# Altium PCB PCB1.PcbDoc (part 4 of 4)
Units mm, origin at the board's own origin, x right, y up, seen from the top; angles counter-clockwise.
Board outline 170.5 x 170.3 mm, 2 copper layers (Top Layer, Bottom Layer); 947 components, 657 nets, 3453 pads, 181 vias.
Unrouted connection lines stored in the file: 2490.
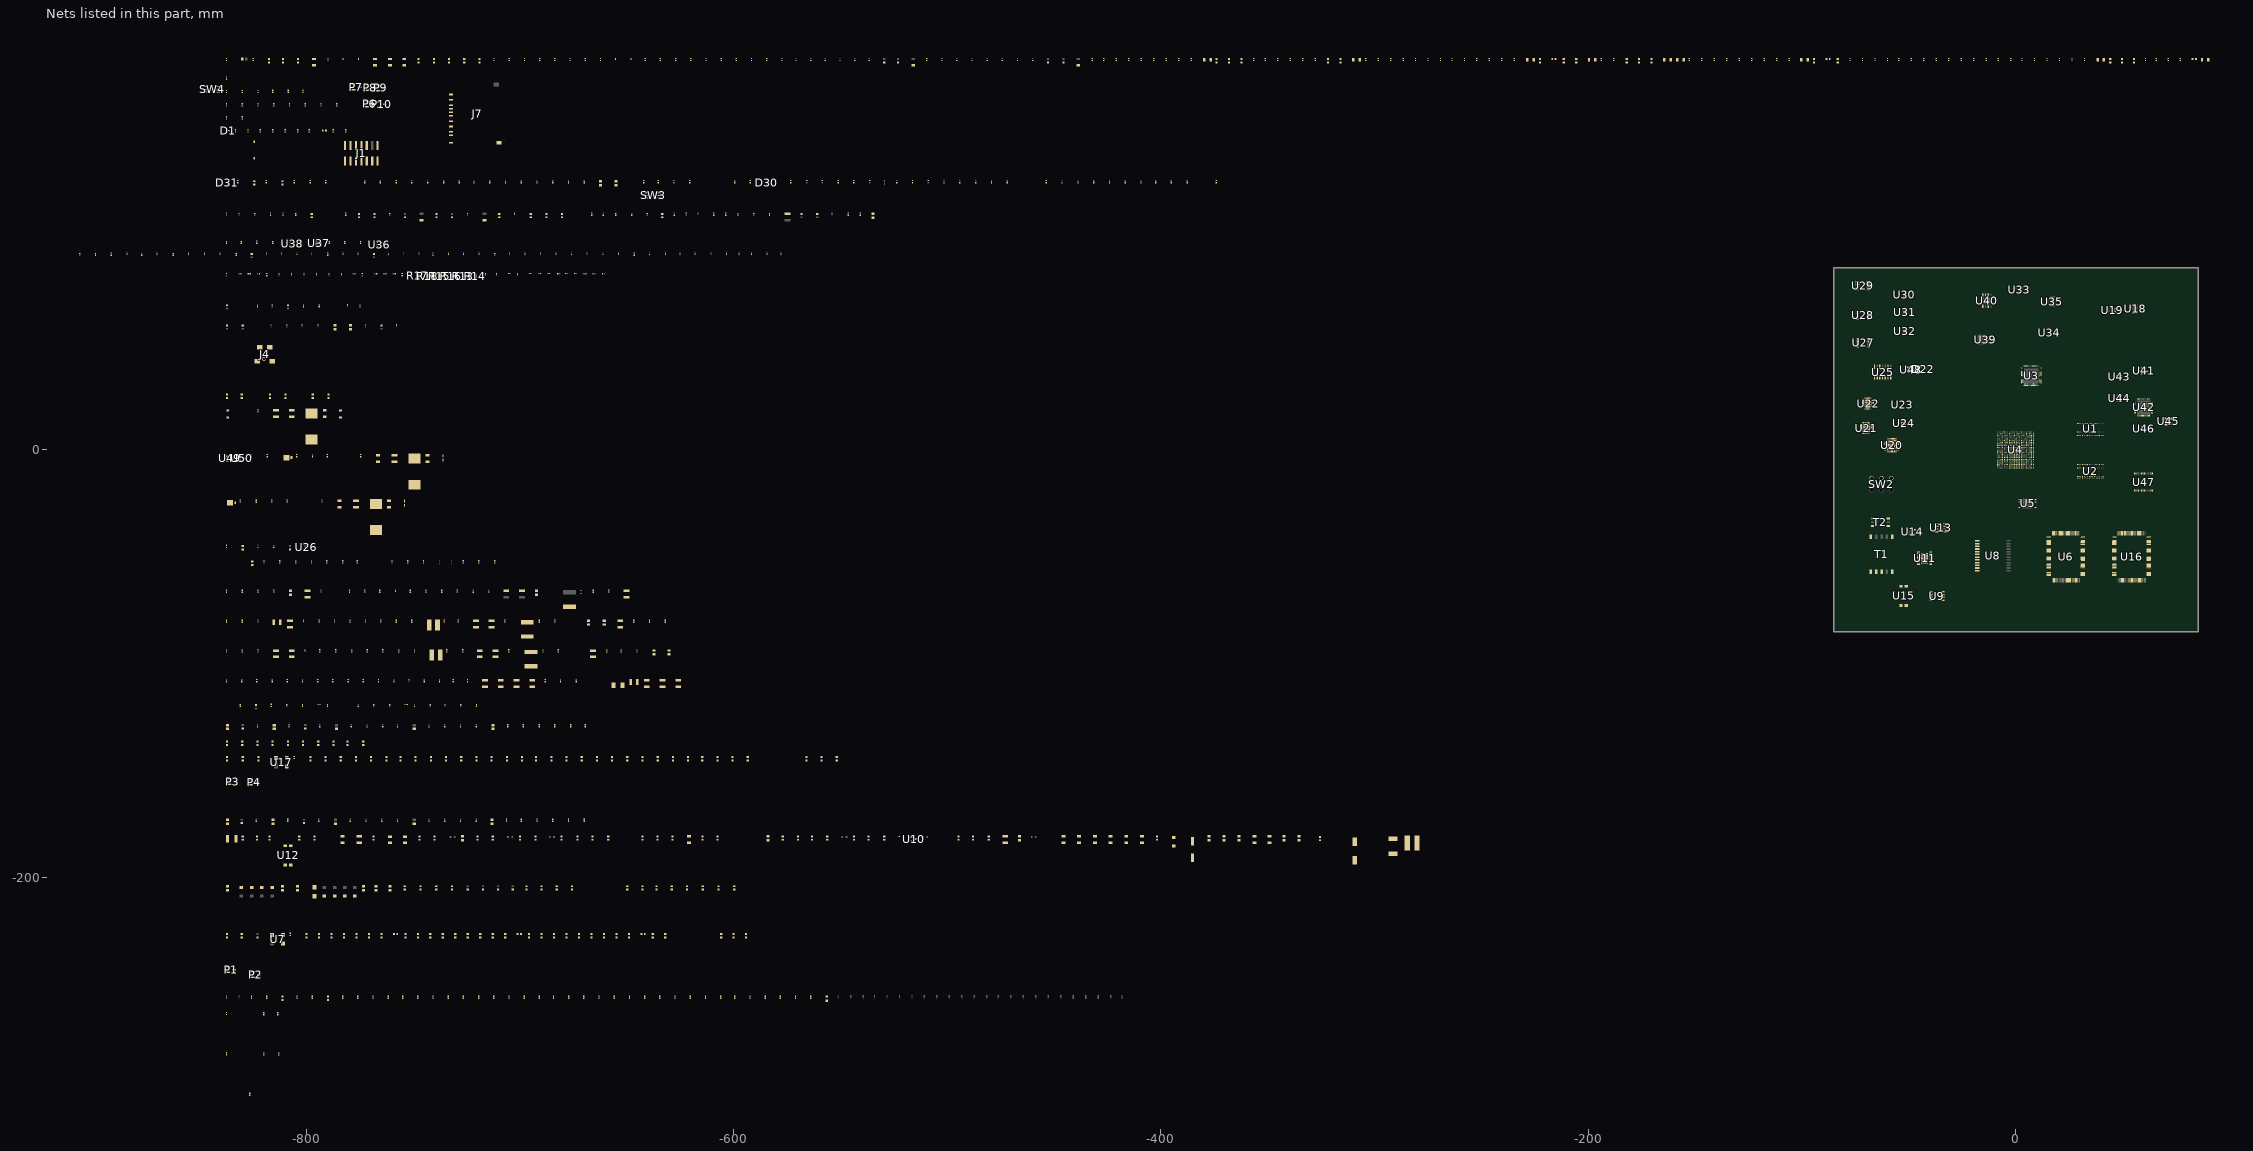
[diagram p4: the nets of this part, all layers, seen from the top]

## Via types
v1: diameter 0.66, hole 0.33, Top Layer to Bottom Layer, tented top, 64 vias
v2: diameter 0.4, hole 0.2, Top Layer to Bottom Layer, tented top, 61 vias
v3: diameter 0.5, hole 0.2, Top Layer to Bottom Layer, 49 vias
v4: diameter 1, hole 0.64, Top Layer to Bottom Layer, 7 vias

## Nets (pads, with @x,y where several pads share a name; then routed paths per layer and width w, separated by ;. In a path a pad name is that pad's centre, name@x,y a point inside that pad or via, vN(x,y) a via of type N, cw(c..) or ccw(c..) an arc to the next point about the centre after c; other vN are vias at no path point) (continued)
DDR3_DQ07: U2.H7 U4.F1
DDR3_DQ08: U2.D7 U4.G2
DDR3_DQ09: U2.C3 U4.G1
DDR3_DQ10: U2.C8 U4.L1
DDR3_DQ11: U2.C2 U4.L2
DDR3_DQ12: U2.A7 U4.L3
DDR3_DQ13: U2.A2 U4.K1
DDR3_DQ14: U2.B8 U4.J1
DDR3_DQ15: U2.A3 U4.K3
DDR3_DQ16: U1.E3 U4.M1
DDR3_DQ17: U1.F7 U4.T3
DDR3_DQ18: U1.F2 U4.N3
DDR3_DQ19: U1.F8 U4.T1
DDR3_DQ20: U1.H3 U4.R3
DDR3_DQ21: U1.H8 U4.T2
DDR3_DQ22: U1.G2 U4.M2
DDR3_DQ23: U1.H7 U4.R1
DDR3_DQ24: U1.D7 U4.AA3
DDR3_DQ25: U1.C3 U4.U1
DDR3_DQ26: U1.C8 U4.AA1
DDR3_DQ27: U1.C2 U4.U2
DDR3_DQ28: U1.A7 U4.W1
DDR3_DQ29: U1.A2 U4.Y3
DDR3_DQ30: U1.B8 U4.W3
DDR3_DQ31: U1.A3 U4.Y1
DDR3_DQS0_N: U2.G3 U4.D2
DDR3_DQS0_P: U2.F3 U4.C2
DDR3_DQS1_N: U2.B7 U4.J2
DDR3_DQS1_P: U2.C7 U4.H2
DDR3_DQS2_N: U1.G3 U4.P2
DDR3_DQS2_P: U1.F3 U4.N2
DDR3_DQS3_N: U1.B7 U4.W2
DDR3_DQS3_P: U1.C7 U4.V2
DDR3_ODT0: R62.1 U1.K1 U2.K1 U4.P5
DDR3_RAS: R60.1 U1.J3 U2.J3 U4.R5
DDR3_RESET: R65.1 U1.T2 U2.T2 U4.F3
DDR3_S0: R59.1 U1.L2 U2.L2 U4.P6
DDR3_WE: R58.1 U1.L3 U2.L3 U4.R4
DDR_0V75: C364.2 R40.2 R41.2 R42.2 R43.2 R44.2 R45.2 R46.2 R47.2 R48.2 R49.2 R50.2 R51.2 R52.2 R53.2 R54.2 R55.2 R56.2 R57.2 R58.2 R59.2 R60.2 R61.2 R62.2 R64.2 U24.6 U24.9
DDR_1V5: C28.2 C29.2 C30.2 C31.2 C32.2 C33.2 C34.2 C35.2 C36.2 C37.2 C38.2 C52.2 C53.2 C54.2 C55.2 C56.2 C57.2 C58.2 C158.2 C160.2 C162.2 C163.2 C164.2 C165.2 C166.2 C167.2 C168.2 C169.2 C170.2 C171.2 C172.2 C173.2 C174.2 C175.2 C176.2 C177.2 C178.2 C179.2 C180.2 C181.2 C182.2 C183.2 C184.2 C185.2 C186.2 C187.2 C188.2 C189.2 C190.2 C191.2 C192.2 C193.2 C194.2 C195.2 C196.2 C197.2 C198.2 C199.2 FB2.2 U1.A1 U1.A8 U1.B2 U1.C1 U1.C9 U1.D2 U1.D9 U1.E9 U1.H2 U1.H9 U1.K2 U1.K8 U1.N1 U1.R1 U1.R9 U2.A1 U2.A8 U2.B2 U2.C1 U2.C9 U2.D2 U2.D9 U2.E9 U2.H2 U2.H9 U2.K2 U2.K8 U2.N1 U2.R1 U2.R9 U4.E2 U4.F5 U4.H1 U4.J4 U4.K7 U4.M3 U4.N6 U4.R2 U4.V1
DDR_VREF: C109.2 C110.2 C158.1 C159.2 C160.1 C161.2 C367.2 C368.2 U1.H1 U1.M8 U2.H1 U2.M8 U4.H7 U4.P7 U24.1
EEPROM_CLK: R279.1 U42.44 U46.4
EEPROM_CS: R280.1 U42.45 U46.5
EEPROM_DATA: R281.2 U42.43 U46.3
ETH1_RXCLK: R93.1 U4.A14
ETH1_RXCTL: R92.1 U4.D7
ETH1_RXD0: R95.1 U4.E11
ETH1_RXD1: R96.1 U4.B7
ETH1_RXD2: R97.1 U4.F12
ETH1_RXD3: R98.1 U4.A13
ETH1_TXCLK: R70.1 U4.D6
ETH1_TXCTL: R71.1 U4.F11
ETH1_TXD0: R73.1 U4.E9
ETH1_TXD1: R74.1 U4.A7
ETH1_TXD2: R76.1 U4.E10
ETH1_TXD3: R77.1 U4.A8
ETH2_CLOCK_IN: R177.2 U16.86
ETH2_INTERRUPT: R145.1 U16.3
ETH2_MDIA_N: R185.1 U16.109
ETH2_MDIA_P: R181.1 U16.108
ETH2_MDIB_N: R184.1 U16.115
ETH2_MDIB_P: R180.1 U16.114
ETH2_MDIC_N: R183.1 U16.121
ETH2_MDIC_P: R179.1 U16.120
ETH2_MDID_N: R182.1 U16.127
ETH2_MDID_P: R178.1 U16.126
ETH2_RGMII_SEL0: R163.1 U16.40
ETH2_RGMII_SEL1: R165.1 U16.60
ETH2_RXCLK: R171.1 U4.B12
ETH2_RXCTL: R170.1 U4.C13
ETH2_RXD0: R173.1 U4.F14
ETH2_RXD1: R174.1 U4.A9
ETH2_RXD2: R175.1 U4.B14
ETH2_RXD3: R176.1 U4.F13
ETH2_TXCLK: R148.1 U4.A12
ETH2_TXCTL: R149.1 U4.G13
ETH2_TXD0: R151.1 U4.E8
ETH2_TXD1: R152.1 U4.A11
ETH2_TXD2: R154.1 U4.F9
ETH2_TXD3: R155.1 U4.C7
FB: C357.1 R219.1 R221.2 U23.C1
GND: C9.1 C10.1 C11.1 C12.1 C13.1 C14.1 C15.1 C16.1 C17.1 C18.1 C19.1 C20.1 C21.1 C22.1 C23.1 C24.1 C25.1 C26.1 C27.1 C28.1 C29.1 C30.1 C31.1 C32.1 C33.1 C34.1 C35.1 C36.1 C37.1 C38.1 C39.1 C40.1 C41.1 C42.1 C43.1 C44.1 C45.1 C46.1 C47.1 C48.1 C49.1 C50.1 C51.1 C52.1 C53.1 C54.1 C55.1 C56.1 C57.1 C58.1 C59.1 C60.1 C61.1 C62.1 C63.1 C64.1 C65.1 C66.1 C67.1 C68.1 C69.1 C70.1 C71.1 C72.1 C73.1 C74.1 C75.1 C76.1 C77.1 C78.1 C79.1 C80.1 C81.1 C82.1 C83.1 C84.1 C85.1 C86.1 C87.1 C88.1 C89.1 C90.1 C91.1 C92.1 C93.1 C94.1 C95.1 C96.1 C97.1 C98.1 C99.1 C100.1 C101.1 C102.1 C103.1 C104.1 C105.1 C106.1 C107.1 C108.1 C109.1 C110.1 C111.1 C112.1 C113.1 C114.1 C115.1 C116.1 C117.1 C118.1 C119.1 C120.1 C121.1 C122.1 C123.1 C124.1 C125.1 C126.1 C127.1 C128.1 C129.1 C130.1 C131.1 C132.1 C133.1 C134.1 C135.1 C136.1 C137.1 C138.1 C139.1 C140.1 C141.1 C142.1 C143.1 C144.1 C145.1 C146.1 C147.1 C148.1 C149.1 C150.1 C151.1 C152.1 C153.1 C154.1 C155.1 C156.1 C157.1 C159.1 C161.1 C162.1 C163.1 C164.1 C165.1 C166.1 C167.1 C168.1 C169.1 C170.1 C171.1 C172.1 C173.1 C174.1 C175.1 C176.1 C177.1 C178.1 C179.1 C180.1 C181.1 C182.1 C183.1 C184.1 C185.1 C186.1 C187.1 C188.1 C189.1 C190.1 C191.1 C192.1 C193.1 C194.1 C195.1 C196.1 C197.1 C198.1 C199.1 C200.1 C201.2 C202.1 C203.1 C204.1 C205.1 C220.2 C221.1 C222.1 C223.1 C224.1 C225.1 C226.1 C227.1 C231.1 C239.2 C240.1 C241.1 C242.1 C243.1 C244.1 C245.1 C246.1 C247.1 C248.1 C249.1 C250.1 C251.1 C252.1 C253.1 C254.1 C255.1 C256.1 C257.1 C258.1 C259.1 C260.1 C261.1 C262.1 C263.2 C264.1 C265.1 C266.1 C267.1 C268.1 C269.1 C270.1 C271.1 C272.1 C273.1 C274.1 C275.1 C276.1 C277.1 C278.1 C279.1 C280.1 C281.1 C282.1 C283.1 C284.1 C285.1 C286.1 C287.1 C288.2 C301.1 C302.1 C303.1 C304.1 C307.1 C308.1 C309.1 C310.1 C311.2 C312.2 C315.1 C316.2 C317.1 C318.1 C319.1 C320.1 C321.1 C322.1 C323.1 C324.2 C326.1 C327.1 C331.1 C334.1 C335.1 C336.1 C337.1 C338.1 C339.2 C340.1 C341.1 C343.1 C344.1 C348.1 C351.1 C352.1 C353.2 C354.1 C355.2 C356.2 C358.1 C359.1 C360.1 C361.1 C362.1 C363.1 C364.1 C365.1 C366.1 C367.1 C368.1 C369.1 C370.1 C371.1 C372.1 C375.2 C376.2 C377.1 C379.2 C380.2 C381.1 C383.2 C384.2 C385.1 C386.1 C387.1 C388.1 C389.1 C390.1 C391.1 C403.2 C419.1 C420.1 C421.1 C423.1 C425.1 C426.1 C427.1 C428.1 C430.2 C431.1 C457.1 C458.1 C459.1 C460.1 C461.1 C462.1 C463.1 C464.1 C465.1 C466.1 C467.1 C468.1 C470.1 C471.1 C472.1 C473.1 C474.1 C475.1 C476.1 C477.1 C478.1 C479.2 C480.2 C481.2 C482.2 C483.2 D1.G D15.2 D22.1 D24.2 D26.2 D28.2 D30.G D31.G J1.1 J1.3 J1.5 J1.7 J1.9 J1.11 J1.13 J4.2 J4.3 J7.3 J7.6 J7.M1 LD1.1 LD2.1 P1.1 P2.1 P3.1 P4.1 P6.3 P7.3 P8.3 P9.3 P10.3 R38.1 R39.1 R65.2 R69.1 R72.1 R78.1 R79.1 R83.1 R85.1 R87.2 R88.1 R89.1 R91.1 R94.1 R114.2 R117.1 R119.2 R147.1 R150.1 R156.1 R157.1 R161.2 R162.1 R164.1 R166.1 R167.1 R169.1 R172.1 R192.1 R197.1 R198.1 R201.1 R206.2 R207.1 R210.1 R215.2 R216.1 R221.1 R223.1 R225.1 R232.1 R235.1 R237.1 R238.1 R241.1 R262.1 R266.1 R269.2 R270.1 R272.2 R273.1 R290.1 R292.2 R295.2 R300.1 R302.1 R303.1 R308.1 SW1.2 SW4.4 U1.A9 U1.B1 U1.B3 U1.B9 U1.D1 U1.D8 U1.E1 U1.E2 U1.E8 U1.F9 U1.G1 U1.G8 U1.G9 U1.J2 U1.J8 U1.M1 U1.M9 U1.P1 U1.P9 U1.T1 U1.T9 U2.A9 U2.B1 U2.B3 U2.B9 U2.D1 U2.D8 U2.E1 U2.E2 U2.E8 U2.F9 U2.G1 U2.G8 U2.G9 U2.J2 U2.J8 U2.M1 U2.M9 U2.P1 U2.P9 U2.T1 U2.T9 U4.A5 U4.A15 U4.AA5 U4.AA15 U4.AB8 U4.AB18 U4.B8 U4.B18 U4.C1 U4.C11 U4.C21 U4.D4 U4.D14 U4.E7 U4.E17 U4.F10 U4.F20 U4.G3 U4.G10 U4.H6 U4.H8 U4.H12 U4.H14 U4.H16 U4.J9 U4.J11 U4.J13 U4.J19 U4.K2 U4.K8 U4.K10 U4.K11 U4.K12 U4.K14 U4.K22 U4.L5 U4.L9 U4.L11 U4.L12 U4.L13 U4.L15 U4.M8 U4.M10 U4.M11 U4.M12 U4.M14 U4.M18 U4.N1 U4.N9 U4.N11 U4.N12 U4.N13 U4.N21 U4.P4 U4.P8 U4.P10 U4.P12 U4.P14 U4.R9 U4.R11 U4.R13 U4.R17 U4.T20 U4.U3 U4.U13 U4.V6 U4.V16 U4.W9 U4.W19 U4.Y2 U4.Y12 U4.Y22 U5.4 U6.5 U6.12 U6.16 U6.20 U6.22 U6.26 U6.30 U6.36 U6.38 U6.43 U6.49 U6.54 U6.59 U6.61 U6.64 U6.65 U6.66 U6.67 U6.68 U6.70 U6.74 U6.78 U6.82 U6.91 U6.93 U6.97 U6.99 U6.104 U6.106 U6.107 U6.110 U6.112 U6.113 U6.116 U6.118 U6.119 U6.122 U6.124 U6.125 U6.128 U7.2 U9.1 U9.2 U9.3 U10.3 U15.3 U16.5 U16.12 U16.16 U16.20 U16.22 U16.26 U16.30 U16.36 U16.38 U16.43 U16.49 U16.54 U16.59 U16.61 U16.64 U16.65 U16.66 U16.67 U16.68 U16.70 U16.74 U16.78 U16.82 U16.91 U16.93 U16.97 U16.99 U16.104 U16.106 U16.107 U16.110 U16.112 U16.113 U16.116 U16.118 U16.119 U16.122 U16.124 U16.125 U16.128 U17.2 U18.7 U20.6 U20.7 U20.8 U20.9 U20.10 U20.11 U20.12 U20.13 U20.14 U20.15 U20.28 U20.40 U20.41 U21.1 U21.2 U21.7 U21.8 U21.17 U21.26 U21.29 U22.1 U22.2 U22.7 U22.8 U22.17 U22.26 U22.29 U23.A1 U24.3 U24.8 U24.11 U25.12 U26.3 U27.6 U28.6 U29.6 U30.3 U31.3 U32.3 U36.2 U37.2 U37.5 U38.1 U38.3 U41.14 U42.4 U42.9 U42.10 U42.11 U42.22 U42.23 U42.35 U42.36 U42.41 U42.42 U42.47 U42.48 U43.2 U44.3 U45.2 U47.1 U47.6 U47.8 U47.13 U47.21 U47.22 U48.S U49.S U50.S
  other v1: -71,9.025 -69.8,9.025 -68.6,9.025 -71,10.225 -69.8,10.225 -68.6,10.225 -71,11.425 -69.8,11.425 -68.6,11.425 -52.9,12.4 -51.7,12.4 -70.175,20.5 -68.975,20.5 -67.775,20.5 -70.175,21.7 -68.975,21.7 -67.775,21.7 -70.175,22.9 -68.975,22.9 -67.775,22.9
  other v3: -59.775,4.015 -58.775,4.015 -57.775,4.015 -56.775,4.015 -55.775,4.015
INTERRUPT: R67.1 U6.3
JTAG_HEAD_PROG_RST: J1.14 SW3.3
JTAG_HEAD_TCLK: D1.4 J1.6 R33.1
JTAG_HEAD_TDI: D1.3 J1.10 R35.1
JTAG_HEAD_TDO: D1.1 J1.8 R37.1
JTAG_HEAD_TMS: D1.2 J1.4 R36.1
JTAG_PHY_3V3: C475.2 C476.2 C477.2 FB28.2 U42.3
JTAG_PLL_3V3: C472.2 C473.2 C474.2 FB27.2 U42.8
JTAG_TCLK: R33.2 R261.1 U4.G11 U41.3
JTAG_TDI: R35.2 R263.1 U4.H13 U41.6
JTAG_TDO: R37.2 R272.1 U4.G14 U41.12
JTAG_TMS: R36.2 R267.1 U4.G12 U41.8
LM_RESET: R21.1 U4.G16
LM_SCLK: C5.2 R22.2 U3.70
LM_SDIO: R24.2 U3.69
LM_SDO: R25.2 U3.68
LM_SEN: R23.2 U3.67
MAG: U4.U15 U18.11
MDC: U4.D10 U6.81 U16.81
MDIA_N: R107.1 U6.109 U8.3
MDIA_P: R103.1 U6.108 U8.2
MDIB_N: R106.1 U6.115 U8.6
MDIB_P: R102.1 U6.114 U8.5
MDIC_N: R105.1 U6.121 U8.9
MDIC_P: R101.1 U6.120 U8.8
MDID_N: R104.1 U6.127 U8.12
MDID_P: R100.1 U6.126 U8.11
MDIO: R68.1 R146.1 U4.C12 U6.80 U16.80
MIO_VREF_1V65: C481.1 R300.2 R301.1 U4.F8
NetC1_1: C1.1 U3.38
NetC2_2: C2.2 R19.1 U3.57
NetC3_1: C3.1 R20.2
NetC3_2: C3.2 C4.2 R19.2 U3.64
NetC6_2: C6.2 R27.1 U3.87
NetC7_1: C7.1 R28.2
NetC7_2: C7.2 C8.2 R27.2 U3.80
NetC206_2: C206.2 R108.1
NetC207_2: C207.2 R109.1
NetC208_2: C208.2 R110.1
NetC209_2: C209.2 R111.1
NetC210_2: C210.2 C213.2 C214.1 C215.2 D6.1 FB3.2 L1.1 R123.2
NetC211_1: C211.1 C213.1 D6.2 FB4.2 R134.1 U11.10 U11.14 U11.21
  other v1: -43.7,-52.475 -42.5,-52.475 -41.3,-52.475 -43.7,-51.275 -42.5,-51.275 -41.3,-51.275 -43.7,-50.075 -42.5,-50.075 -41.3,-50.075 -43.7,-48.875 -42.5,-48.875 -41.3,-48.875
NetC212_1: C212.1 D7.2 D8.2 D9.2 D10.2 FB4.1
NetC212_2: C212.2 D2.1 D3.1 D4.1 D5.1 FB3.1
NetC216_2: C216.2 C217.2 C218.2 L1.2 R112.2 T1.3
NetC218_1: C218.1 D11.1 R112.1
NetC219_1: C219.1 T1.10 U9.5 U9.6 U9.7 U9.8
NetC219_2: C219.2 R114.1
NetC222_2: C222.2 C223.2 C224.2 C225.2 L2.1 T1.6
NetC228_2: C228.2 D12.1 R140.1 U11.6
NetC229_1: C229.1 T2.1
NetC229_2: C229.2 R116.1
NetC230_1: C230.1 R118.2
NetC230_2: C230.2 T2.6
NetC231_2: C231.2 R124.1 U12.1
NetC232_1: C232.1 C234.1 C235.1 D18.2 R129.1 U14.3
NetC232_2: C232.2 R129.2 U12.2
NetC233_2: C233.2 R126.1
NetC234_2: C234.2 R128.1 R135.2 R138.2 R139.2 U14.4
NetC235_2: C235.2 R135.1
NetC236_2: C236.2 R133.1 U11.3
NetC237_2: C237.2 R125.1 U11.2
NetC238_1: C238.1 R138.1 R139.1 U14.5
NetC238_2: C238.2 D17.2 D18.1 R132.1
NetC258_2: C258.2 C259.2 R142.1 U6.98
NetC261_2: C261.2 R143.1 U6.100
NetC284_2: C284.2 C285.2 R186.1 U16.98
NetC287_2: C287.2 R187.1 U16.100
NetC293_2: C293.2 U18.5
NetC295_2: C295.2 L3.2
NetC296_1: C296.1
NetC296_2: C296.2 C297.2 L4.1
NetC298_1: C298.1 U18.21
NetC298_2: C298.2 U18.24
NetC299_2: C299.2 R188.2
NetC300_1: C300.1 U19.3
NetC300_2: C300.2 U18.15
NetC305_1: C305.1 U20.31
NetC305_2: C305.2 L5.1 R189.1 U20.5 U20.16 U20.43
  other v3: -58.65,0.24 -59.8,1.54 -58.65,1.54 -57.5,1.54 -58.65,2.84
NetC306_1: C306.1 R189.2 R191.1 U20.2
NetC311_1: C311.1 R190.2
NetC312_1: C312.1 U20.34
NetC313_1: C313.1 C314.1 U20.33
NetC313_2: C313.2 C314.2 U20.3
NetC315_2: C315.2 R194.1
NetC316_1: C316.1 R194.2 U20.38
NetC317_2: C317.2 R193.1 U20.30
NetC318_2: C318.2 R193.2 R196.2 U20.29
NetC325_1: C325.1 L6.2 R200.2
NetC325_2: C325.2 R199.1
NetC328_1: C328.1 C329.1 U21.12
NetC328_2: C328.2 R202.1
NetC329_2: C329.2 R200.1 R201.2 R202.2 U21.11
NetC330_1: C330.1 C333.2 R203.1 R204.2 R207.2 U21.24
NetC330_2: C330.2 R205.1
NetC331_2: C331.2 R206.1 U21.28
NetC332_1: C332.1 C333.1 U21.23
NetC332_2: C332.2 R204.1
NetC342_1: C342.1 L8.2 R209.2
NetC342_2: C342.2 R208.1
NetC345_1: C345.1 C346.1 U22.12
NetC345_2: C345.2 R211.1
NetC346_2: C346.2 R209.1 R210.2 R211.2 U22.11
NetC347_1: C347.1 C350.2 R212.1 R213.2 R216.2 U22.24
NetC347_2: C347.2 R214.1
NetC348_2: C348.2 R215.1 U22.28
NetC349_1: C349.1 C350.1 U22.23
NetC349_2: C349.2 R213.1
NetC358_2: C358.2 R218.1
NetC360_2: C360.2 U23.C2
NetC361_2: C361.2 R220.1 U23.B1
NetC362_2: C362.2 R220.2
NetC366_2: C366.2 R222.2 R223.2 U24.4
NetC373_1: C373.1 R234.1 R235.2 U26.2
NetC374_1: C374.1 D23.1 U27.1
NetC374_2: C374.2 D24.1 L11.1 U27.3
NetC377_2: C377.2 R239.1
NetC378_1: C378.1 D25.1 U28.1
NetC378_2: C378.2 D26.1 L12.1 U28.3
NetC381_2: C381.2 R242.1
NetC382_1: C382.1 D27.1 U29.1
NetC382_2: C382.2 D28.1 L13.1 U29.3
NetC385_2: C385.2 U29.8
NetC392_2: C392.2 C393.2 FB5.1 R244.2 R245.2 U33.2
NetC394_2: C394.2 R244.1 R247.2 U33.4
NetC395_2: C395.2 R245.1 R246.2 U33.3
NetC396_2: C396.2 U34.3
NetC397_1: C397.1 U34.1
NetC397_2: C397.2 U35.9
NetC398_2: C398.2 U34.4
NetC399_2: C399.2 C400.2 FB6.1 U35.1
NetC401_1: C401.1 U35.3
NetC401_2: C401.2 U33.8
NetC402_2: C402.2 FB7.1 U3.43 U3.45 U3.47 U3.49
NetC403_1: C403.1 FB11.1 U3.33 U3.36
NetC404_1: C404.1 FB10.1 U3.61
NetC405_1: C405.1 FB9.1 R251.1 R252.1
NetC406_2: C406.2 FB12.1 U3.90 U3.101
NetC407_1: C407.1 FB8.1 U3.83
NetC408_2: C408.2 FB13.1 U3.107 U3.109
NetC409_2: C409.2 FB14.1 U3.111 U3.112
NetC410_2: C410.2 FB15.1 U3.35
NetC411_2: C411.2 FB17.1 U3.59
NetC412_2: C412.2 FB16.1 U3.58 U3.62 U3.63
NetC413_1: C413.1 C414.2 R253.1 U3.60
NetC415_1: C415.1 C418.2 R254.1
NetC416_2: C416.2 FB21.1 U3.81
NetC417_2: C417.2 FB19.1 U3.78 U3.79 U3.82 U3.85 U3.86
NetC420_2: C420.2 R255.1
NetC421_2: C421.2 FB22.1 U3.74
NetC422_1: C422.1 FB23.1 U3.37
NetC423_2: C423.2 R256.2 U3.34
NetC424_2: C424.2 FB24.1 U3.7
NetC426_2: C426.2 U36.4
NetC429_1: C429.1 U37.4
NetC429_2: C429.2 U38.4
NetC432_2: C432.2 C433.2 C434.2 L20.2 R258.2
NetC435_1: C435.1 C439.2 L18.1
NetC435_2: C435.2 C443.2 L14.1
NetC436_2: C436.2 L14.2 L15.1
NetC437_1: C437.1 C441.2 L19.2
NetC437_2: C437.2 C446.1 L15.2
NetC438_2: C438.2 L16.2 L17.2 R259.1
NetC439_1: C439.1 C442.2 L21.1
NetC440_1: C440.1 L21.2 L22.1
NetC443_1: C443.1 U39.1
NetC444_2: C444.2 L20.1 U39.3
NetC453_1: C453.1 U40.3
NetC453_2: C453.2 L24.2 L26.2
NetC454_1: C454.1 U33.13
NetC454_2: C454.2 C455.2 L25.2
NetC457_2: C457.2 C458.2 C459.2 C460.2 U42.39 U42.40
NetC465_2: C465.2 U42.38
NetC466_2: C466.2 U42.37
NetC467_2: C467.2 D29.2 R268.2 U42.34
NetC469_1: C469.1 U46.2
NetC482_1: C482.1 C483.1
NetD11_2: D11.2 T1.5 U13.5 U13.6 U13.7 U13.8
NetD12_2: D12.2 T1.2
NetD13_1: D13.1 R115.1 U10.2
NetD13_2: D13.2 D15.1 R116.2 R117.2 U10.1
NetD14_2: D14.2 D17.1 LD3.2 R124.2 R128.2 R132.2
NetD16_1: D16.1 R127.1 R131.2 U11.5
NetD16_2: D16.2 R127.2 U13.4
NetD31_3: D31.3
NetFB18_1: FB18.1 R253.2
NetFB20_2: FB20.2 R254.2 U3.84
NetFB25_1: FB25.1 FB26.2 L23.2
NetFB26_1: FB26.1 U40.8
NetJ4_1: J4.1 SW2.3
NetL4_2: L4.2 U18.3
NetL6_1: L6.1 U21.3 U21.6
NetL7_1: L7.1 U21.18
NetL8_1: L8.1 U22.3 U22.6
NetL9_1: L9.1 U22.18
NetL10_1: L10.1 R218.2 U23.A2
NetL23_1: L23.1 L25.1 U40.6 U40.7
NetLD1_2: LD1.2 R30.1 U4.T12
NetLD2_2: LD2.2 R113.1
NetLD3_1: LD3.1 R141.1
NetLD4_1: LD4.1 U47.2
NetLD4_2: LD4.2 R287.1
NetLD5_1: LD5.1 U47.27
NetLD5_2: LD5.2 R288.1
NetLD6_1: LD6.1 U48.D
NetLD6_2: LD6.2 R304.1
NetP1_2: P1.2 R84.2
NetP2_2: P2.2 R86.2
NetP3_2: P3.2 R163.2
NetP4_2: P4.2 R165.2
NetP6_2: P6.2 R293.2
NetP7_2: P7.2 R294.2
NetP8_2: P8.2 R296.2
NetP9_2: P9.2 R297.2
NetP10_2: P10.2 R298.2
NetR1_1: R1.1 U3.89
NetR2_1: R2.1 U3.39
NetR2_2: R2.2 R3.1
NetR4_2: R4.2 U3.41
NetR5_1: R5.1 R12.1 U3.66
NetR6_1: R6.1 R11.2 U3.76
NetR7_2: R7.2 U3.17
NetR8_1: R8.1 U3.19
NetR9_2: R9.2 U3.16
NetR10_1: R10.1 U3.20
NetR13_1: R13.1 U3.15
NetR13_2: R13.2 U3.14
NetR13_3: R13.3 U3.13
NetR13_4: R13.4 U3.11
NetR14_5: R14.5 U3.24
NetR14_6: R14.6 U3.23
NetR14_7: R14.7 U3.22
NetR14_8: R14.8 U3.21
NetR15_1: R15.1 U3.10
NetR15_2: R15.2 U3.9
NetR15_3: R15.3 U3.8
NetR15_4: R15.4 U3.6
NetR16_5: R16.5 U3.28
NetR16_6: R16.6 U3.27
NetR16_7: R16.7 U3.26
NetR16_8: R16.8 U3.25
NetR17_1: R17.1 U3.5
NetR17_2: R17.2 U3.4
NetR17_3: R17.3 U3.3
NetR17_4: R17.4 U3.2
NetR18_5: R18.5 U3.32
NetR18_6: R18.6 U3.31
NetR18_7: R18.7 U3.30
NetR18_8: R18.8 U3.29
NetR26_2: R26.2 U3.40
NetR29_1: R29.1 U4.T13
NetR31_2: R31.2 U4.G9
NetR32_1: R32.1 U4.T14
NetR38_2: R38.2 U2.L8
NetR39_2: R39.2 U1.L8
NetR69_2: R69.2 U6.24 U6.27 U6.31 U6.32
NetR70_2: R70.2 U6.79
NetR71_2: R71.2 U6.62
NetR72_2: R72.2 U6.88
NetR73_2: R73.2 U6.76
NetR74_2: R74.2 U6.75
NetR75_2: R75.2 U6.1
NetR76_2: R76.2 U6.72
NetR77_2: R77.2 U6.71
NetR78_2: R78.2 U6.7
NetR79_2: R79.2 U6.8
NetR80_2: R80.2 U6.9
NetR81_2: R81.2 U6.10
NetR82_2: R82.2 U6.13
NetR83_2: R83.2 U6.14
NetR85_2: R85.2 U6.17
NetR87_1: R87.1 U6.6
NetR88_2: R88.2 U6.18
NetR89_2: R89.2 U6.95
NetR90_2: R90.2 U6.34
NetR91_2: R91.2 U6.89
NetR92_2: R92.2 U6.41
NetR93_2: R93.2 U6.44
NetR94_2: R94.2 U6.94
NetR95_2: R95.2 U6.56
NetR96_2: R96.2 U6.55
NetR97_2: R97.2 U6.52
NetR98_2: R98.2 U6.51
NetR99_1: R99.1 U7.3
NetR115_2: R115.2 U9.4
NetR118_1: R118.1 U11.7
NetR119_1: R119.1 T2.3
NetR120_1: R120.1 R122.2
NetR120_2: R120.2 U11.18
NetR121_2: R121.2 U11.19
NetR123_1: R123.1 R130.1 U11.11 U11.12
NetR125_2: R125.2 R126.2 U11.1 U12.4
NetR130_2: R130.2 U11.13
NetR133_2: R133.2 R136.2 R137.2 U13.1 U13.2 U13.3
NetR134_2: R134.2 U11.15
NetR140_2: R140.2 U15.1
NetR141_2: R141.2 U15.4
NetR147_2: R147.2 U16.24 U16.27 U16.31 U16.32
NetR148_2: R148.2 U16.79
NetR149_2: R149.2 U16.62
NetR150_2: R150.2 U16.88
NetR151_2: R151.2 U16.76
NetR152_2: R152.2 U16.75
NetR153_2: R153.2 U16.1
NetR154_2: R154.2 U16.72
NetR155_2: R155.2 U16.71
NetR156_2: R156.2 U16.7
NetR157_2: R157.2 U16.8
NetR158_2: R158.2 U16.9
NetR159_2: R159.2 U16.10
NetR160_2: R160.2 U16.13
NetR161_1: R161.1 U16.6
NetR162_2: R162.2 U16.14
NetR164_2: R164.2 U16.17
NetR166_2: R166.2 U16.18
NetR167_2: R167.2 U16.95
NetR168_2: R168.2 U16.34
NetR169_2: R169.2 U16.89
NetR170_2: R170.2 U16.41
NetR171_2: R171.2 U16.44
NetR172_2: R172.2 U16.94
NetR173_2: R173.2 U16.56
NetR174_2: R174.2 U16.55
NetR175_2: R175.2 U16.52
NetR176_2: R176.2 U16.51
NetR177_1: R177.1 U17.3
NetR188_1: R188.1 U18.18
NetR192_2: R192.2 U20.4
NetR195_1: R195.1 R197.2 U20.39
NetR198_2: R198.2 U20.35
NetR224_1: R224.1 R225.2 U25.4 U25.6
NetR236_1: R236.1 R238.2 U27.7
NetR237_2: R237.2 U4.G17 U27.5
NetR239_2: R239.2 U27.8
NetR240_1: R240.1 R241.2 U28.7
NetR242_2: R242.2 U28.8
NetR246_1: R246.1 U4.E18
NetR247_1: R247.1 U4.F18
NetR248_2: R248.2 U33.6
NetR249_2: R249.2 U33.15
NetR250_2: R250.2 U35.12
NetR251_2: R251.2 U3.72
NetR252_2: R252.2 U3.73
NetR257_2: R257.2 U37.3
NetR260_1: R260.1 U40.1
NetR265_1: R265.1 U42.15
NetR273_2: R273.2 U42.5
NetR276_1: R276.1 U43.1 U44.4
NetR277_1: R277.1 SW3.4 U43.3
NetR278_1: R278.1 R281.1 U46.1
NetR284_1: R284.1 U47.14
NetR285_1: R285.1 U47.7
NetR286_1: R286.1 U47.15
NetR289_1: R289.1 U4.N7
NetR290_2: R290.2 U4.M7
NetR291_1: R291.1 U4.A4
NetR302_2: R302.2 U6.102
NetR303_2: R303.2 U16.102
NetR305_1: R305.1 U49.D U50.G
NetR306_1: R306.1 U28.5 U50.D
NetR308_2: R308.2 U4.B15 U35.2
NetU3_91: U3.91 U3.92
NetU3_94: U3.94 U3.95
NetU3_103: U3.103 U3.104
NetU3_105: U3.105 U3.106
NetU11_4: U11.4 U11.8 U11.9 U11.17
NetU11_20: U11.20 U15.2
NetU20_36: U20.36 U20.37
NetU33_11: U33.11
NetU42_1: U42.1 U45.3
PA_IN: C444.1 C456.2 L24.1
PB1: U4.D13
PB2: U4.C10
PGOOD_ALL: C370.2 D21.2 R229.1 U25.1 U25.9 U48.G U49.G
PGOOD_DDR: R227.2 R230.2 R231.2 R232.2 U24.5 U25.7
PGOOD_VCC1V0: C369.2 D20.2 R228.1 U23.B3 U25.2
PGOOD_VCC1V8: C359.2 D19.2 R217.1 U21.10 U21.25 U22.10 U23.C3
PGOOD_VCC5V0: R196.1 U20.32 U22.25
PLL_CLK: R257.1 U3.71
PLL_CLK_OUT: R4.1 U4.C17
PROG: R34.1 SW1.1 U4.T11
PS_CLK: U4.F7
PS_MODE0/SPI_DQ0: R298.1 U4.A2 U5.5
PS_MODE1/SPI_DQ1: R293.1 U4.F6 U5.2
PS_MODE2/SPI_DQ2: R294.1 U4.E4 U5.3
PS_MODE3/SPI_DQ3: R296.1 U4.A3 U5.7
PS_MODE4/SPI_SCLK: R291.2 R297.1 U5.6
PS_POR_B: R66.2 R144.2 R226.1 U4.B5 U6.33 U16.33 U25.14
PS_SRST_B: R299.1 SW4.3 U4.C9 U43.4 U43.6
RESET: R21.2 U3.75
RGMII_SEL0: R84.1 U6.40
RGMII_SEL1: R86.1 U6.60
RTN: C210.1 C211.2 C214.2 C215.1 C216.1 C217.1 C228.1 C233.1 C236.1 C237.1 C239.1 R121.1 R122.1 R131.1 R136.1 R137.1 T1.1 T2.4 U12.3
RX_CLK: R7.1
RX_CLKOUT: R26.1
RX_EN: R11.1
RX_IQ_SEL: R9.1
RXD00: R13.8
RXD01: R13.7
RXD02: R13.6
RXD03: R13.5
RXD04: R15.8
RXD05: R15.7
RXD06: R15.6
RXD07: R15.5
RXD08: R17.8
RXD09: R17.7
RXD10: R17.6
RXD11: R17.5
RXIN1_N: C396.1 U3.98
RXIN1_P: C398.1 U3.96
RXIN2_N: U3.102
RXIN2_P: U3.100
RXIN3_N: U3.110
RXIN3_P: U3.108
RXOUT_I_N: U3.115
RXOUT_I_P: U3.116
RXOUT_Q_N: U3.114
RXOUT_Q_P: U3.113
SCLK: R22.1 U4.K20
SD_CD: J7.10 U4.B10
SD_CLK: J7.5 U4.E14
SD_CMD: J7.2 U4.C8
SD_D0: J7.7 U4.D8
SD_D1: J7.8 U4.B11
SD_D2: J7.9 U4.E13
SD_D3: J7.1 U4.B9
SD_WP: J7.11 U4.D12
SDIO: R24.1 U4.L22
SDO: R25.1 U4.L21
SEN: R23.1 U4.R15
SHIELD: C206.1 C207.1 C208.1 C209.1
SIGN: U4.V17 U18.10
SPI_CS: U4.A1 U5.1
TX_CLK: R8.2
TX_EN: R12.2
TX_IQ_SEL: R10.2
TXD00: R14.1
TXD01: R14.2
TXD02: R14.3
TXD03: R14.4
TXD04: R16.1
TXD05: R16.2
TXD06: R16.3
TXD07: R16.4
TXD08: R18.1
TXD09: R18.2
TXD10: R18.3
TXD11: R18.4
TXIN_I_N: U3.51
TXIN_I_P: U3.52
TXIN_Q_N: U3.56
TXIN_Q_P: U3.54
TXOUT1_N: C442.1 C445.2 L17.1 U3.48
TXOUT1_P: C445.1 C446.2 L16.1 U3.50
TXOUT2_N: U3.44
TXOUT2_P: U3.46
UART_RXD: U4.D11 U47.23
UART_TXD: U4.C14 U47.4
UART_VDD: C479.1 C480.1 R282.2 R283.1 R285.2 R287.2 R288.2 U47.16 U47.28
USB_JTAG_D_N: D30.2 U42.7
USB_JTAG_D_P: D30.3 U42.6
USB_UART_D_N: D31.1 R286.2
USB_UART_D_P: D31.2 R284.2
VADJ: C15.2 C16.2 C17.2 C18.2 C19.2 C20.2 C21.2 C22.2 C23.2 C24.2 C25.2 C26.2 C27.2 C39.2 C40.2 C41.2 C42.2 C43.2 C44.2 C45.2 C46.2 C47.2 C48.2 C49.2 C50.2 C51.2 C334.2 C335.2 C430.1 L7.2 R203.2 R205.2 R227.1 U4.A20 U4.C16 U4.D19 U4.E22 U4.F15 U4.G18 U4.H21 U4.K17 U4.L20 U4.N16 U4.P19 U4.R22 U4.T15 U37.1
VCC1V0: C9.2 C10.2 C11.2 C12.2 C13.2 C14.2 C120.2 C121.2 C122.2 C123.2 C124.2 C125.2 C126.2 C127.2 C128.2 C129.2 C130.2 C131.2 C132.2 C133.2 C134.2 C135.2 C136.2 C137.2 C138.2 C139.2 C140.2 C141.2 C142.2 C143.2 C144.2 C145.2 C146.2 C147.2 C148.2 C149.2 C150.2 C151.2 C152.2 C153.2 C154.2 C155.2 C351.2 C352.2 L9.2 R212.2 R214.2 U4.G8 U4.H9 U4.H11 U4.J8 U4.J10 U4.J12 U4.J14 U4.K13 U4.L8 U4.L14 U4.M13 U4.N8 U4.N14 U4.P13 U4.R8 U4.R14 U25.5
VCC1V5: C343.2 C344.2 FB2.1 R31.1 R208.2 R222.1 R231.1 R289.2
VCC3V3: C59.2 C60.2 C61.2 C62.2 C63.2 C64.2 C65.2 C66.2 C67.2 C68.2 C69.2 C70.2 C71.2 C72.2 C73.2 C74.2 C75.2 C76.2 C77.2 C78.2 C79.2 C80.2 C81.2 C82.2 C83.2 C84.2 C85.2 C86.2 C87.2 C88.2 C89.2 C90.2 C91.2 C92.2 C93.2 C94.2 C95.2 C96.2 C97.2 C98.2 C99.2 C157.2 C200.2 C201.1 C202.2 C203.2 C204.2 C205.2 C240.2 C241.2 C242.2 C243.2 C244.2 C245.2 C246.2 C262.2 C263.1 C264.2 C265.2 C266.2 C267.2 C268.2 C269.2 C270.2 C271.2 C272.2 C288.1 C326.2 C327.2 C363.2 C365.2 C372.2 C425.2 C461.2 C462.2 C463.2 C464.2 C468.2 C469.2 C470.2 C471.2 D29.1 FB27.1 FB28.1 J1.2 J7.4 P1.3 P2.3 P3.3 P4.3 P6.1 P7.1 P8.1 P9.1 P10.1 R29.2 R30.2 R32.2 R34.2 R66.1 R67.2 R68.2 R75.1 R80.1 R81.1 R82.1 R90.1 R100.2 R101.2 R102.2 R103.2 R104.2 R105.2 R106.2 R107.2 R144.1 R145.2 R146.2 R153.1 R158.1 R159.1 R160.1 R168.1 R178.2 R179.2 R180.2 R181.2 R182.2 R183.2 R184.2 R185.2 R199.2 R226.2 R230.1 R261.2 R263.2 R267.2 R268.1 R271.2 R274.2 R275.2 R276.2 R277.2 R278.2 R279.2 R280.2 R282.1 R299.2 R301.2 R304.2 R305.2 R306.2 U4.A10 U4.AA10 U4.AA20 U4.AB3 U4.AB13 U4.B3 U4.B13 U4.C6 U4.D9 U4.E12 U4.T5 U4.T7 U4.T8 U4.T10 U4.U8 U4.U18 U4.V11 U4.V21 U4.W4 U4.W14 U4.Y7 U4.Y17 U5.8 U6.4 U6.15 U6.21 U6.29 U6.37 U6.42 U6.53 U6.58 U6.69 U6.77 U6.83 U6.90 U7.4 U8.1 U8.4 U8.7 U8.10 U16.4 U16.15 U16.21 U16.29 U16.37 U16.42 U16.53 U16.58 U16.69 U16.77 U16.83 U16.90 U17.4 U18.8 U24.2 U24.7 U24.10 U26.5 U26.6 U36.1 U36.3 U41.7 U42.12 U42.24 U42.46 U45.4 U46.6
VCC5V0: C301.2 C302.2 C303.2 C304.2 C306.2 C319.2 C320.2 C321.2 C322.2 C323.2 C324.1 C336.2 C337.2 C338.2 C339.1 C340.2 C341.2 C353.1 C354.2 D19.1 D20.1 D21.1 L5.2 R191.2 R195.2 R217.2 R228.2 R229.2 R233.2 U20.1 U21.4 U21.5 U21.9 U21.16 U21.19 U21.27 U22.4 U22.5 U22.9 U22.16 U22.19 U22.27 U23.A3 U25.3
VCC_1V8_LM: C386.2 FB8.2 FB9.2 FB10.2 FB11.2 FB15.2 U30.1 U30.2
VCC_1V8_RXLO_LM: C390.2 FB20.1 U32.1 U32.2
VCC_1V8_TXLO_LM: C388.2 FB18.2 U31.1 U31.2
VCC_2V8_TCXO: C427.2 C428.2 C431.2 U36.5 U37.6 U38.6
VCC_3V3_HM: FB6.2
VCC_3V3_LM: C289.2 C290.2 C291.2 C292.1 C294.1 C384.1 C387.2 C389.2 C391.2 C419.2 FB7.2 FB12.2 FB13.2 FB14.2 FB16.2 FB17.2 FB19.2 FB21.2 FB22.2 FB23.2 FB24.2 L3.1 L13.2 R5.2 R6.2 R255.2 R256.1 R259.2 U3.1 U3.12 U3.18 U18.2 U18.4 U18.17 U18.22 U19.4 U29.7 U30.4 U30.5 U30.6 U31.4 U31.5 U31.6 U32.4 U32.5 U32.6
VCC_3V3_PE: FB5.2
VCC_6V0_SG: C380.1 C383.1 D25.2 D27.2 L12.2 R240.2 R258.1 U28.4 U29.2
VCC_7V0_RFPA: C376.1 C447.1 C448.1 C449.2 C450.1 C451.2 C452.1 D23.2 FB25.2 L11.2 R236.2 R260.2 U27.4
VCC_PLL: C156.2 FB1.1 U4.H10
VMODE_0: R292.1 U4.D5
VMODE_1: R295.1 U4.E5
VREF_3V0: D22.3 R224.2 R233.1
VU_12V0: C307.2 C308.2 C309.2 C310.2 C375.1 C379.1 R190.1 SW2.1 U20.18 U20.19 U20.20 U20.21 U20.22 U20.23 U20.24 U20.25 U20.26 U20.27 U20.42 U27.2 U28.2
  other v3: -56.15,0.24 -56.15,1.54 -56.15,2.84
VU_12V0_POE: C220.1 C221.2 C226.2 C227.2 D14.1 L2.2 R113.2 SW2.2
ZYNQ_RX_CLK: U4.N19
ZYNQ_RX_CLKOUT: U4.L19
ZYNQ_RX_EN: U4.T19
ZYNQ_RX_IQ_SEL: U4.T16
ZYNQ_RXD00: U4.P22
ZYNQ_RXD01: U4.N22
ZYNQ_RXD02: U4.R21
ZYNQ_RXD03: U4.R20
ZYNQ_RXD04: U4.P21
ZYNQ_RXD05: U4.P20
ZYNQ_RXD06: U4.N15
ZYNQ_RXD07: U4.K15
ZYNQ_RXD08: U4.J15
ZYNQ_RXD09: U4.P18
ZYNQ_RXD10: U4.P17
ZYNQ_RXD11: U4.T17
ZYNQ_TOP_TX_CLK: U4.D20
ZYNQ_TOP_TX_EN: U4.G21
ZYNQ_TOP_TX_IQ_SEL: U4.E19
ZYNQ_TXD00: U4.C22
ZYNQ_TXD01: U4.D22
ZYNQ_TXD02: U4.D21
ZYNQ_TXD03: U4.E21
ZYNQ_TXD04: U4.B22
ZYNQ_TXD05: U4.B21
ZYNQ_TXD06: U4.H19
ZYNQ_TXD07: U4.E16
ZYNQ_TXD08: U4.F16
ZYNQ_TXD09: U4.F19
ZYNQ_TXD10: U4.G19
ZYNQ_TXD11: U4.E20
pads on no net: D22.2 D30.1 D30.4 D31.4 J1.12 J7.H1 J7.H2 J7.H3 R283.2 SW2.4 SW2.5 SW2.6 T1.4 T1.7 T1.8 T1.9 T2.2 T2.5 U1.F1 U1.G7 U1.J1 U1.J9 U1.L1 U1.L9 U1.M7 U1.N9 U2.F1 U2.G7 U2.J1 U2.J9 U2.L1 U2.L9 U2.M7 U2.N9 U3.42 U3.53 U3.55 U3.65 U3.77 U3.88 U3.93 U4.A6 U4.A16 U4.A17 U4.A18 U4.A19 U4.A21 U4.A22 U4.AA4 U4.AA6 U4.AA7 U4.AA8 U4.AA9 U4.AA11 U4.AA12 U4.AA13 U4.AA14 U4.AA16 U4.AA17 U4.AA18 U4.AA19 U4.AA21 U4.AA22 U4.AB1 U4.AB2 U4.AB4 U4.AB5 U4.AB6 U4.AB7 U4.AB9 U4.AB10 U4.AB11 U4.AB12 U4.AB14 U4.AB15 U4.AB16 U4.AB17 U4.AB19 U4.AB20 U4.AB21 U4.AB22 U4.B4 U4.B6 U4.B16 U4.B17 U4.B19 U4.B20 U4.C4 U4.C5 U4.C15 U4.C18 U4.C19 U4.C20 U4.D15 U4.D16 U4.D17 U4.D18 U4.E6 U4.E15 U4.F17 U4.F21 U4.F22 U4.G6 U4.G7 U4.G15 U4.G20 U4.G22 U4.H15 U4.H17 U4.H18 U4.H20 U4.H22 U4.J16 U4.J17 U4.J18 U4.J20 U4.J21 U4.J22 U4.K16 U4.K18 U4.K19 U4.K21 U4.L16 U4.L17 U4.L18 U4.M15 U4.M16 U4.M17 U4.M19 U4.M20 U4.M21 U4.M22 U4.N17 U4.N18 U4.N20 U4.P15 U4.P16 U4.R6 U4.R7 U4.R12 U4.R16 U4.R18 U4.R19 U4.T4 U4.T6 U4.T18 U4.T21 U4.T22 U4.U4 U4.U5 U4.U6 U4.U7 U4.U9 U4.U10 U4.U11 U4.U12 U4.U14 U4.U17 U4.U19 U4.U20 U4.U21 U4.U22 U4.V4 U4.V5 U4.V7 U4.V8 U4.V9 U4.V10 U4.V12 U4.V13 U4.V14 U4.V15 U4.V18 U4.V19 U4.V20 U4.V22 U4.W5 U4.W6 U4.W7 U4.W8 U4.W10 U4.W11 U4.W12 U4.W13 U4.W15 U4.W17 U4.W18 U4.W20 U4.W21 U4.W22 U4.Y4 U4.Y5 U4.Y6 U4.Y8 U4.Y9 U4.Y10 U4.Y11 U4.Y13 U4.Y14 U4.Y15 U4.Y16 U4.Y18 U4.Y19 U4.Y20 U4.Y21 U5.9 U6.2 U6.23 U6.28 U6.39 U6.45 U6.46 U6.47 U6.50 U6.57 U6.84 U6.85 U6.87 U7.1 U11.16 U14.1 U14.2 U16.2 U16.23 U16.28 U16.39 U16.45 U16.46 U16.47 U16.50 U16.57 U16.84 U16.85 U16.87 U17.1 U18.1 U18.16 U18.20 U20.17 U21.13 U21.14 U21.15 U21.20 U21.21 U21.22 U22.13 U22.14 U22.15 U22.20 U22.21 U22.22 U23.B2 U25.8 U25.10 U25.11 U25.13 U26.4 U29.4 U29.5 U33.16 U33.17 U34.5 U34.6 U35.4 U35.6 U35.7 U35.8 U35.13 U35.14 U35.15 U35.16 U35.17 U38.2 U38.5 U40.2 U40.4 U40.5 U40.9 U41.15 U42.2 U42.21 U42.25 U42.26 U42.27 U42.30 U42.31 U42.32 U42.33 U42.49 U44.5 U45.1 U47.3 U47.5 U47.9 U47.10 U47.11 U47.12 U47.17 U47.18 U47.19 U47.20 U47.24 U47.25 U47.26
copper on no net: | length 321.5
  Top Layer w0.254: -84.826,89.821 -84.824,90.329 ; -83.303,89.562 -84.825,90.075 ; -83.299,90.578 -84.825,90.075 ; -8.157,89.805 -84.825,90.075 ; 8.907,89.745 85.575,89.475 ; 84.049,88.972 85.575,89.475 ; 84.053,89.988 85.575,89.475 ; 85.574,89.221 85.576,89.729 ; 90.03,-83.922 90.525,-85.45 ; 90.271,-85.448 90.779,-85.452 ; 91.046,-83.93 90.525,-85.45 ; 91.165,-8.808 90.525,-85.45 ; 91.31,8.508 91.95,85.15 ; 91.429,83.63 91.95,85.15 ; 91.696,85.152 92.204,85.148 ; 92.445,83.622 91.95,85.15
  other v1: 3.875,-26.8 5.075,-26.8 6.275,-26.8 7.475,-26.8 3.875,-25.6 5.075,-25.6 6.275,-25.6 7.475,-25.6 3.875,-24.4 5.075,-24.4 6.275,-24.4 7.475,-24.4 3.875,-23.2 5.075,-23.2 6.275,-23.2 7.475,-23.2 60,37 16.45,68.85 17.65,68.85 -14.55,69.35 -13.35,69.35 -12.15,69.35 16.45,70.05 17.65,70.05 -14.55,70.55 -13.35,70.55 -12.15,70.55 1.8,75
  other v3: 57.25,17.25 58.35,17.25 59.45,17.25 60.55,17.25 61.65,17.25 62.75,17.25 57.25,18.35 58.35,18.35 59.45,18.35 60.55,18.35 61.65,18.35 62.75,18.35 57.25,19.45 58.35,19.45 59.45,19.45 60.55,19.45 61.65,19.45 62.75,19.45 57.25,20.55 58.35,20.55 59.45,20.55 60.55,20.55 61.65,20.55 62.75,20.55 57.25,21.65 58.35,21.65 59.45,21.65 60.55,21.65 61.65,21.65 62.75,21.65 57.25,22.75 58.35,22.75 59.45,22.75 60.55,22.75 61.65,22.75 62.75,22.75

## Other copper
Top Layer:
  text "170.401 (mm)" at -7.906,88.89 h1.52 r359.8
  text "170.606 (mm)" at 92.081,-8.562 h1.52 r89.52